# Altium PCB WL-MAIN_V2.PcbDoc (part 2 of 3) (continued)
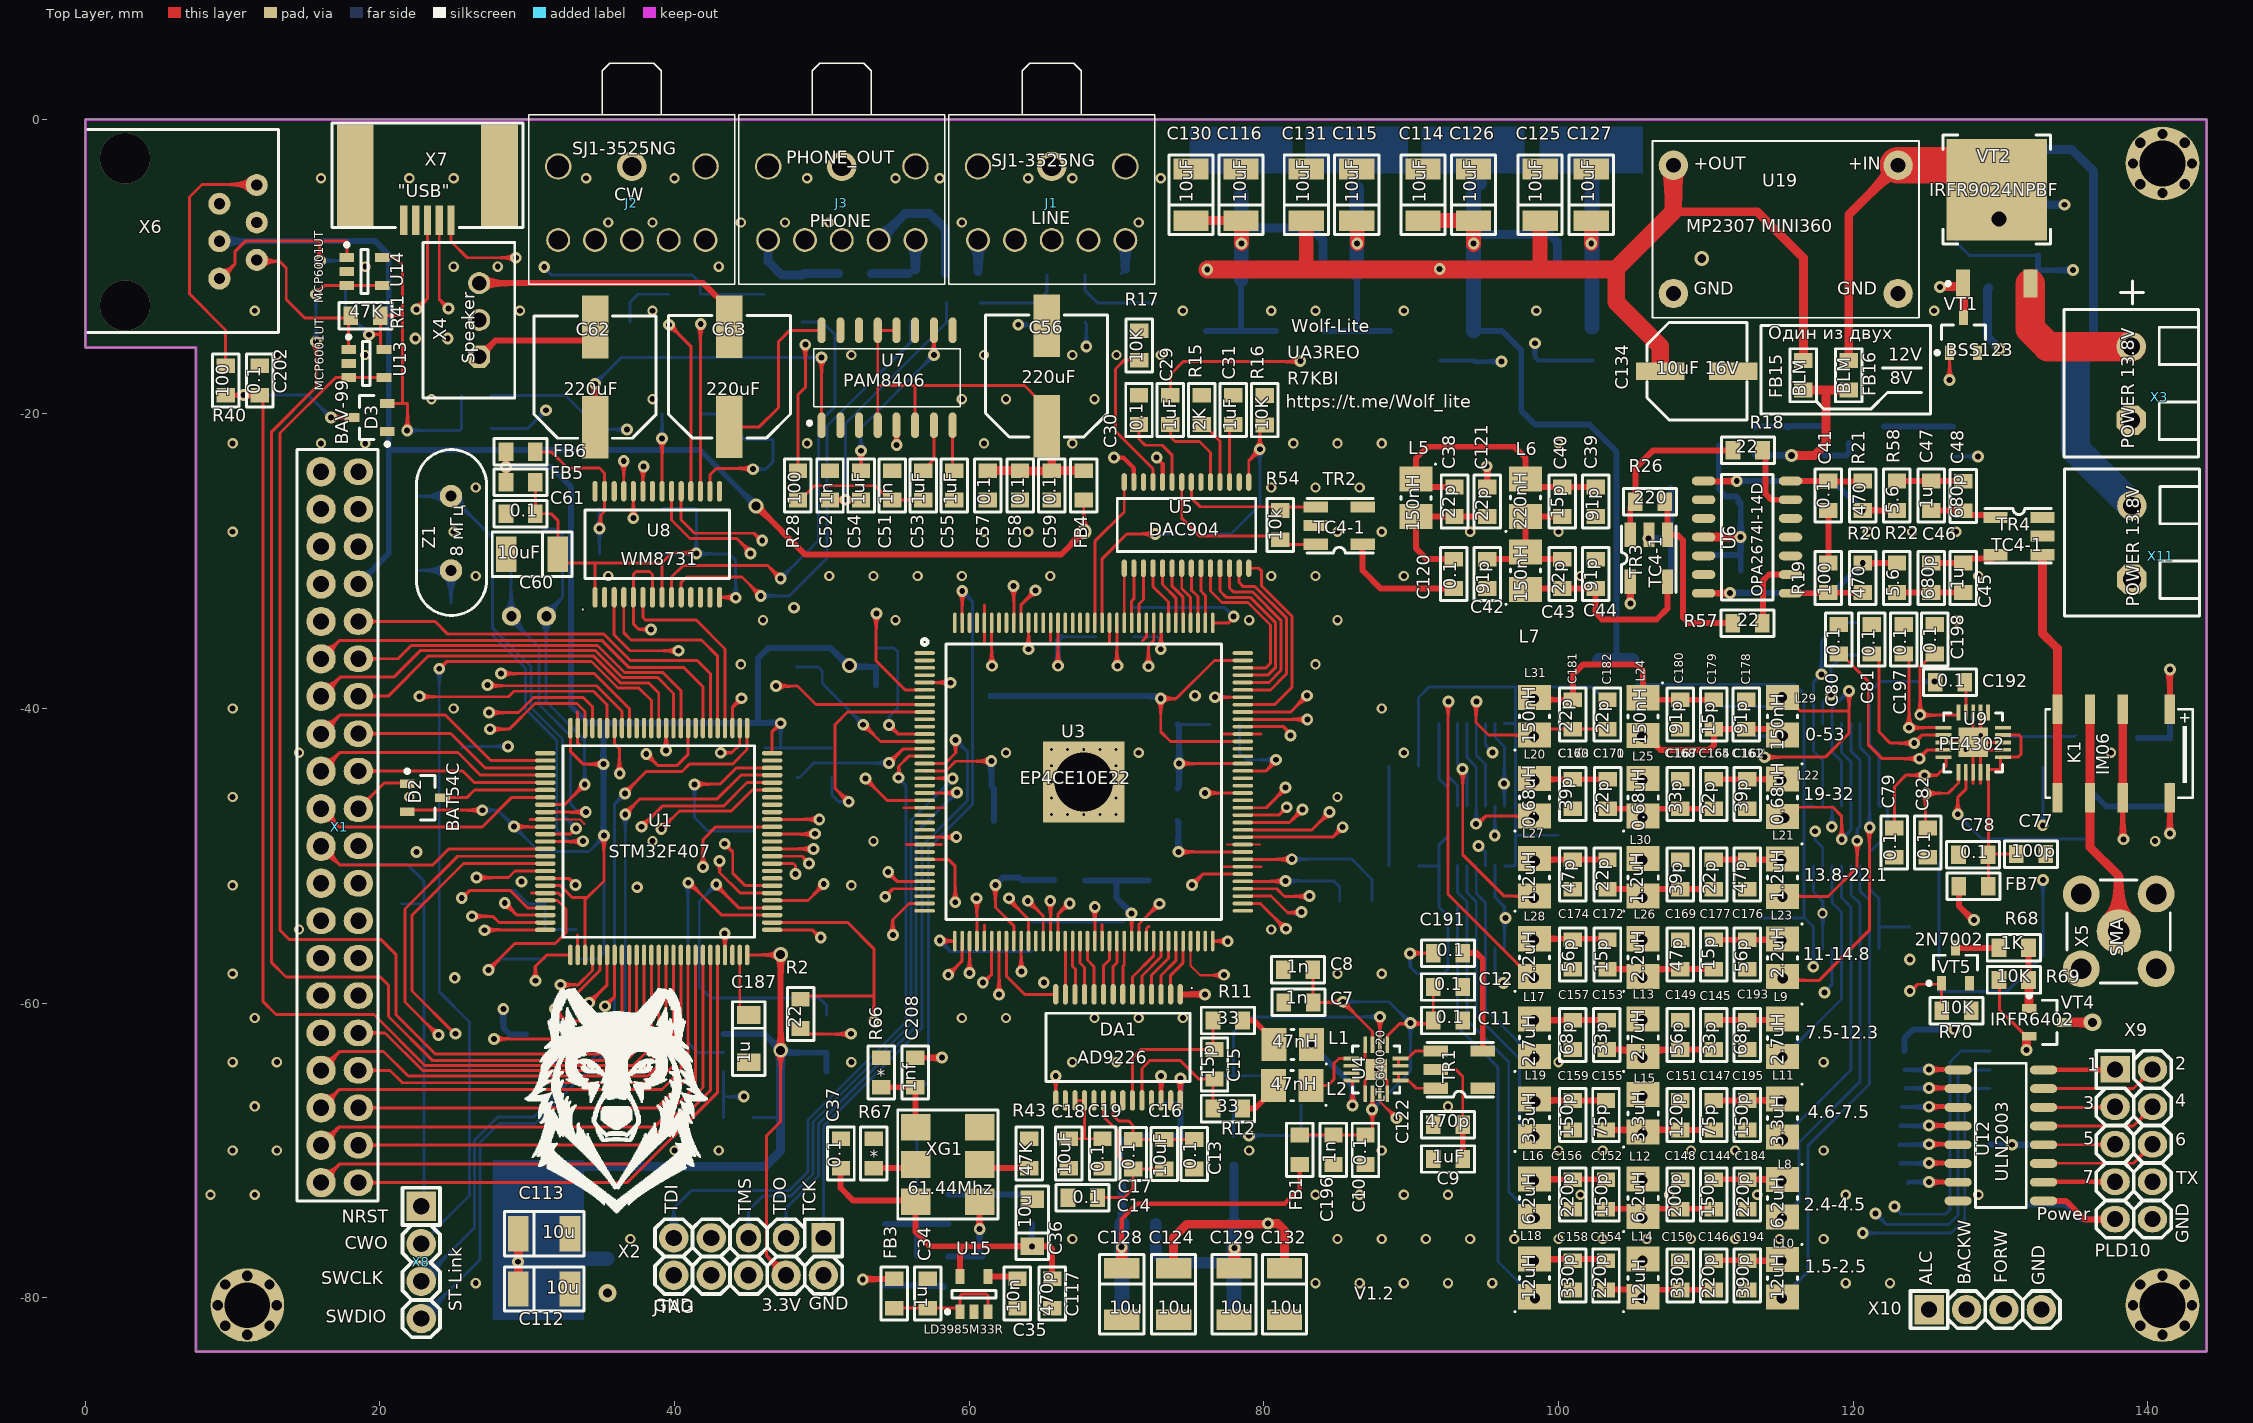
[diagram p0: Top Layer view]
## Nets (pads, with @x,y where several pads share a name; then routed paths per layer and width w, separated by ;. In a path a pad name is that pad's centre, name@x,y a point inside that pad or via, vN(x,y) a via of type N, cw(c..) or ccw(c..) an arc to the next point about the centre after c; other vN are vias at no path point) (continued)
FPGA_BUS_SYNC: U1.18 U3.32 | length 27.3
  Top Layer w0.2: U1.18@31.225,-51.525 32.825,-51.525 v1(33.275,-51.975) ; v1@54.575,-51.2 55.107,-51.732 U3.32@56.975,-51.732
  Layer 2 w0.2: v1(33.275,-51.975) 34.334,-53.034 52.566,-53.034 v1(54.5,-51.1)
FSMC_A18: U1.60 X1.24 | length 34.7
  Top Layer w0.2: U1.60@46.625,-50.525 48.075,-50.525 48.2,-50.65 v1(48.2,-51.225)
  Layer 1 w0.2: X1.24@18.54,-51.86 24.565,-51.86 25.675,-50.75 39.145,-50.75 41.42,-48.475 45.125,-48.475 48.125,-51.475 48.2,-51.4 v1(48.2,-51.225)
FSMC_D0: U1.61 X1.23 | length 38.6
  Top Layer w0.2: U1.61@46.625,-50.025 48.65,-50.025 v1@49.25,-50.625
  Layer 1 w0.2: X1.23@16,-51.86 17.25,-50.61 25.04,-50.61 25.3,-50.35 39.05,-50.35 41.3,-48.1 46.7,-48.1 v1(49.125,-50.525)
FSMC_D1: U1.62 X1.22 | length 36.9
  Top Layer w0.2: U1.62@46.625,-49.525 v1@49.5,-49.525
  Layer 1 w0.2: X1.22@18.54,-49.32 18.83,-49.32 20.2,-47.95 26.475,-47.95 28.475,-49.95 38.955,-49.95 41.255,-47.65 47.475,-47.65 49.35,-49.525 v1(49.425,-49.525)
FSMC_D2: U1.81 X1.10 | length 29
  Top Layer w0.2: X1.10@18.54,-34.09 23.75,-34.09 24.61,-34.95 35.2,-34.95 36.975,-36.725 41.525,-36.725 42.425,-37.625 U1.81@42.425,-41.325
FSMC_D3: U1.82 X1.11 | length 30.6
  Top Layer w0.2: X1.11@16,-36.63 17.26,-35.37 35.055,-35.37 36.885,-37.2 40.6,-37.2 41.925,-38.525 U1.82@41.925,-41.325
FSMC_D4: U1.38 X1.32 | length 28.6
  Top Layer w0.2: X1.32@18.54,-62.02 20.345,-62.02 22.9,-64.575 37.7,-64.575 38.925,-63.35 U1.38@38.925,-56.725
FSMC_D5: U1.39 X1.33 | length 32.1
  Top Layer w0.2: X1.33@16,-64.56 17.285,-63.275 20.25,-63.275 21.925,-64.95 38.175,-64.95 39.425,-63.7 U1.39@39.425,-56.725
FSMC_D6: U1.40 X1.34 | length 29.7
  Top Layer w0.2: X1.34@18.54,-64.56 20.685,-64.56 21.525,-65.4 38.75,-65.4 39.925,-64.225 U1.40@39.925,-56.725
FSMC_D7: U1.41 X1.35 | length 33.3
  Top Layer w0.2: X1.35@16,-67.1 17.25,-65.85 39.15,-65.85 40.425,-64.575 U1.41@40.425,-56.725
FSMC_D8: U1.42 X1.36 | length 31.5
  Top Layer w0.2: X1.36@18.54,-67.1 38.825,-67.1 40.925,-65 U1.42@40.925,-56.725
FSMC_D9: U1.43 X1.37 | length 36
  Top Layer w0.2: X1.37@16,-69.64 17.25,-68.39 38.66,-68.39 41.425,-65.625 U1.43@41.425,-56.725
FSMC_D10: U1.44 X1.38 | length 34
  Top Layer w0.2: X1.38@18.54,-69.64 38.01,-69.64 41.925,-65.725 U1.44@41.925,-56.725
FSMC_D11: U1.45 X1.39 | length 38.2
  Top Layer w0.2: X1.39@16,-72.18 17.27,-70.91 37.44,-70.91 42.425,-65.925 U1.45@42.425,-56.725
FSMC_D12: U1.46 X1.40 | length 36.2
  Top Layer w0.2: X1.40@18.54,-72.18 36.795,-72.18 42.925,-66.05 U1.46@42.925,-56.725
FSMC_D13: U1.55 X1.31 | length 42.5
  Top Layer w0.2: U1.55@46.625,-53.025 49.05,-53.025 v1@50.275,-51.8
  Layer 1 w0.2: X1.31@16,-62.02 17.27,-60.75 26.525,-60.75 29.6,-57.675 44.35,-57.675 v1(50.125,-51.9)
FSMC_D14: U1.56 X1.26 | length 33.6
  Top Layer w0.2: v1(43.05,-50.35) 43.05,-51.125 44.45,-52.525 U1.56@46.625,-52.525
  Layer 1 w0.2: X1.26@18.075,-54.275 20.85,-54.275 22.8,-56.225 35.275,-56.225 41.7,-49.8 42.5,-49.8 v1(43.05,-50.35)
FSMC_D15: U1.57 X1.25 | length 37.1
  Top Layer w0.2: v1(43.4,-49.175) 43.95,-49.725 43.95,-51.175 44.8,-52.025 U1.57@46.625,-52.025
  Layer 1 w0.2: X1.25@16,-54.4 17.25,-53.15 20.9,-53.15 23.625,-55.875 35.075,-55.875 41.775,-49.175 v1(43.4,-49.175)
FSMC_NE1: U1.88 X1.14 | length 24.9
  Top Layer w0.2: X1.14@18.54,-39.16 20.565,-39.16 23.305,-36.42 34.48,-36.42 36.31,-38.25 38.225,-38.25 38.925,-38.95 U1.88@38.925,-41.325
FSMC_NOE: U1.85 X1.12 | length 26.1
  Top Layer w0.2: X1.12@18.54,-36.62 21.23,-36.62 22.13,-35.72 34.77,-35.72 36.6,-37.55 39.2,-37.55 40.425,-38.775 U1.85@40.425,-41.325
FSMC_NWE: U1.86 X1.13 | length 28.8
  Top Layer w0.2: X1.13@16,-39.17 17.3,-37.87 20.93,-37.87 22.73,-36.07 34.625,-36.07 36.455,-37.9 38.85,-37.9 39.925,-38.975 U1.86@39.925,-41.325
GB-3.3V: D2.1 X1.20 | length 4.1
  Top Layer w0.2: X1.20@18.54,-46.8 20.29,-45.05 21.7,-45.05 D2.1@21.85,-45.2
GND: C1.1 C2.1 C3.1 C4.1 C5.1 C6.2 C7.1 C8.1 C9.1 C10.1 C11.1 C12.1 C13.1 C14.1 C18.2 C19.1 C20.2 C21.1 C22.1 C23.1 C24.1 C25.1 C26.1 C27.2 C28.2 C30.2 C31.2 C32.2 C33.2 C34.2 C35.2 C36.2 C37.2 C39.1 C42.1 C44.1 C49.1 C50.1 C51.2 C52.1 C55.2 C56.2 C57.2 C58.2 C59.2 C60.2 C61.2 C64.2 C65.2 C66.2 C67.1 C68.1 C69.2 C75.2 C77.1 C78.1 C79.1 C80.1 C81.1 C82.1 C83.2 C84.2 C85.2 C86.2 C87.2 C88.2 C89.2 C90.2 C91.2 C92.2 C93.2 C94.2 C95.2 C96.2 C97.2 C98.2 C99.2 C100.2 C101.2 C102.2 C103.2 C104.2 C105.2 C106.2 C107.2 C108.2 C109.2 C110.2 C111.2 C112.2 C113.2 C114.2 C115.2 C116.2 C117.2 C118.2 C119.2 C121.1 C122.2 C123.2 C124.2 C125.2 C126.2 C127.2 C128.2 C129.2 C130.2 C131.2 C132.2 C133.2 C134.2 C135.2 C136.2 C137.2 C138.2 C139.1 C140.2 C141.2 C142.2 C143.2 C148.1 C149.1 C150.1 C151.1 C156.1 C157.1 C158.1 C159.1 C160.1 C161.1 C162.1 C163.1 C167.1 C168.1 C169.1 C173.1 C174.1 C175.2 C176.1 C178.1 C180.1 C182.1 C183.2 C184.1 C185.2 C186.1 C187.2 C188.2 C189.2 C190.2 C193.1 C194.1 C195.1 C196.1 C197.1 C198.1 C199.2 C200.2 C201.2 C202.1 C203.1 C204.1 C205.2 C206.2 C207.2 D1.4 D3.1 DA1.16 DA1.19 DA1.22 DA1.25 DA1.27 DA2.1 DA3.1 DA4.1 DA5.1 DA6.1 DA7.1 DA8.1 J1.1 J2.1 J3.1 L12.1 L13.1 L14.1 L15.1 L25.1 L26.1 L30.1 pad.4 R3.1 R4.1 R6.2 R13.2 R15.1 R16.1 R17.1 R25.2 R29.2 R32.1 R33.1 R36.1 R43.2 R45.1 R48.1 R50.1 R53.1 R59.1 R61.1 R62.1 R66.1 R67.1 R70.1 R74.1 TR1.6 TR2.2 TR2.4 TR3.6 TR4.1 U1.10 U1.20 U1.27 U1.74 U1.99 U2.4 U3.4 U3.19 U3.22 U3.27 U3.36 U3.41 U3.48 U3.57 U3.63 U3.79 U3.82 U3.94 U3.95 U3.97 U3.108 U3.118 U3.123 U3.131 U3.140 U3.145 U4.4 U4.9 U4.12 U4.17 U5.16 U5.20 U5.26 U6.4 U7.2 U7.9 U7.11 U7.15 U8.11 U8.15 U8.22 U8.28 U9.3 U9.4 U9.7 U9.8 U9.10 U9.11 U9.12 U9.13 U9.18 U9.21 U10.8 U11.4 U11.5 U11.8 U12.8 U13.2 U14.2 U15.2 U16.8 U17.8 U18.8 U19.2 U19.4 VT1.2 VT3.2 VT5.2 VT7.2 X1.2 X1.3 X1.4 X1.6 X2.2 X2.10 X3.1 X4.2 X5.2 X6.3 X7.4 X7.5 X9.10 X10.4 X11.1 XG1.3 | length 55.4
  Top Layer w0.15: U1.10@31.225,-47.525 32.625,-47.525 32.627,-47.523 33.573,-47.523 33.875,-47.825 ; 77.207,-50.732 U3.79@78.575,-50.732 79.843,-50.732 ; 77.507,-49.232 U3.82@78.575,-49.232 79.732,-49.232
  Top Layer w0.2: 30.175,-47.525 U1.10@31.225,-47.525 ; 30.275,-52.525 U1.20@31.225,-52.525 32.1,-52.525 32.3,-52.725 32.375,-52.725 ; 33.375,-40.225 33.425,-40.275 U1.99@33.425,-41.325 33.425,-42.35 33.6,-42.525 ; U1.27@33.425,-56.725 33.425,-55.375 ; 55.557,-46.732 U3.22@56.975,-46.732 58.257,-46.732 ; 55.757,-49.232 U3.27@56.975,-49.232 58.132,-49.232 ; U3.41@61.025,-55.782 61.025,-54.7 ; 61.025,-35.45 U3.140@61.025,-34.182 61.025,-32.975 ; 65.525,-35.4 U3.131@65.525,-34.182 ; U3.57@69.025,-55.782 69.025,-54.65 ; 69.525,-35.6 U3.123@69.525,-34.182 ; 71.775,-35.375 72.025,-35.125 U3.118@72.025,-34.182 ; U3.63@72.025,-55.782 72.025,-54.924 72.142,-54.807 72.191,-54.807 ; 77.207,-41.732 U3.97@78.575,-41.732 79.807,-41.732 ; U4.9@86.869,-66.6 86.875,-66.594 86.875,-66 86.875,-65.25 U4.17@87.625,-64.5 ; U4.4@86.875,-63 86.875,-63.75 U4.17@87.625,-64.5 ; U4.12@88.375,-66 88.375,-65.25 U4.17@87.625,-64.5 ; U9.18@126.3,-42.3 U9.21@128.15,-42.3 ; 128.15,-45.1 128.15,-44.15 U9.21@128.15,-42.3 ; U9.13@128.15,-40.45 U9.21@128.15,-42.3 ; 128.65,-45.075 128.65,-44.15 U9.21@128.65,-42.8 ; U9.12@128.65,-40.45 U9.21@128.65,-41.8 U9.21@128.15,-42.3 ; U9.7@130,-42.8 U9.21@128.65,-42.8 ; U9.8@130,-42.3 U9.21@128.15,-42.3 ; U9.21@128.15,-42.3 U9.21@128.65,-42.8
  Top Layer w0.4: C121.1@95.168,-24.958 v1@95.168,-23.668 ; v1@104.868,-32.743 TR3.6@104.868,-31.388
  other v1: 65.065,-58.588 25.081,-58.279 37.461,-52.127 29.6,-51.75 22.475,-49.736 75.325,-39.125 104.875,-32.875 95.125,-23.55
  other v2: 26.5,-79 83.5,-79 86.5,-79 89.5,-79 92.5,-79 95.5,-79 119.5,-79 122.5,-79 37,-76 67,-76 85,-76 88,-76 91,-76 94,-76 97,-76 100,-76 103,-76 106,-76 109,-76 112,-76 115,-76 118,-76 8.5,-73 11.5,-73 83.5,-73 86.5,-73 89.5,-73 92.5,-73 101.5,-73 107.5,-73 113.5,-73 119.5,-73 128.5,-73 10,-70 13,-70 40,-70 43,-70 79,-70 88,-70 100,-70 103,-70 109,-70 112,-70 118,-70 11.5,-67 92.5,-67 10,-64 13,-64 52,-64 67,-64 70,-64 100,-64 118,-64 11.5,-61 59.5,-61 62.5,-61 68.5,-61 71.5,-61 74.5,-61 10,-58 85,-58 88,-58 14.5,-55 80.5,-55 10,-52 52,-52 38.5,-49 53.5,-49 140.5,-49 10,-46 22,-46 85,-46 14.5,-43 62.5,-43 71.5,-43 89.5,-43 101.5,-43 137.5,-43 10,-40 25,-40 88,-40 44.5,-37 83.5,-37 46,-34 55,-34 79,-34 85,-34 127,-34 26.5,-31 35.5,-31 50.5,-31 53.5,-31 56.5,-31 59.5,-31 65.5,-31 80.5,-31 83.5,-31 89.5,-31 101.5,-31 128.5,-31 10,-28 25,-28 61,-28 64,-28 85,-28 88,-28 94,-28 100,-28 121,-28 124,-28 127,-28 26.5,-25 80.5,-25 83.5,-25 86.5,-25 10,-22 16,-22 19,-22 49,-22 61,-22 67,-22 82,-22 85,-22 88,-22 100,-22 23.5,-19 38.5,-19 59.5,-19 62.5,-19 68.5,-19 13,-16 19,-16 52,-16 61,-16 67,-16 70,-16 73,-16 11.5,-13 29.5,-13 38.5,-13 74.5,-13 80.5,-13 83.5,-13 89.5,-13 98.5,-13 125.5,-13 19,-10 25,-10 28,-10 43,-10 35.5,-7 38.5,-7 44.5,-7 47.5,-7 50.5,-7 59.5,-7 71.5,-7 16,-4 22,-4 25,-4 34,-4 40,-4 49,-4 55,-4 58,-4 64,-4 67,-4 73,-4
  other v3: 11,-82.5 141,-82.5 9.5,-81.9 12.5,-81.9 139.5,-81.9 142.5,-81.9 9,-80.5 13,-80.5 139,-80.5 143,-80.5 9.5,-79.1 12.5,-79.1 139.5,-79.1 142.5,-79.1 11,-78.5 141,-78.5 141,-5 139.5,-4.4 142.5,-4.4 139,-3 143,-3 139.5,-1.6 142.5,-1.6 141,-1
  other v4: 105.7,-77.475 105.7,-72.037 105.7,-66.3 105.7,-61.162
  other v5: 105.7,-50.287 105.7,-44.85
  other v6: 65.575,-47.182 66.675,-47.182 67.775,-47.182 68.875,-47.182 69.975,-47.182 65.575,-46.082 69.975,-46.082 65.575,-44.982 69.975,-44.982 65.575,-43.882 69.975,-43.882 65.575,-42.782 66.675,-42.782 67.775,-42.782 68.875,-42.782 69.975,-42.782
  other v8: 105.7,-55.725
  other v11: 67.775,-44.982
IN_B1: L10.1 U10.6 U10.10 | length 32.1
  Bottom Layer w0.2: v4@115.15,-80 116.95,-78.2 116.95,-69.65 121.113,-65.487 U10.10@121.113,-56.275 121.113,-53.038 120.478,-52.403 U10.6@120.478,-50.675
  other v4: 115.15,-80.025
IN_B2: L8.1 U10.5 U10.11 | length 26.3
  Bottom Layer w0.2: v4@115.225,-74.525 116.325,-73.425 116.325,-69.45 120.478,-65.297 U10.11@120.478,-56.275 120.478,-53.253 119.843,-52.618 U10.5@119.843,-50.675
  other v4: 115.175,-74.575
IN_B3: L11.1 U10.4 U10.12 | length 20.7
  Bottom Layer w0.2: v4@115.2,-69.175 119.843,-64.532 U10.12@119.843,-56.275 119.843,-53.468 119.208,-52.833 U10.4@119.208,-50.675
  other v4: 115.225,-69.275
IN_B4: L9.1 U10.3 U10.13 | length 14.9
  Bottom Layer w0.2: v4@115.25,-63.675 119.208,-59.717 U10.13@119.208,-56.275 119.208,-53.808 118.573,-53.173 U10.3@118.573,-50.675
  other v4: 115.2,-63.675
IN_B5: L23.1 U16.6 U16.10 | length 21.7
  Top Layer w0.2: L23.1@115.193,-58.192 115.451,-58.45 117.7,-58.45 121.1,-55.05 v1@121.1,-48.075
  Bottom Layer w0.2: U16.6@120.478,-41.025 120.478,-42.653 121.113,-43.288 U16.10@121.113,-46.625 121.113,-48.063 v1(121.125,-48.075)
  other v8: 115.225,-58.3
IN_B6: L21.1 U16.5 U16.11 | length 15.9
  Top Layer w0.2: L21.1@115.193,-52.755 118.295,-52.755 120.275,-50.775 v1@120.275,-49.075
  Bottom Layer w0.2: U16.5@119.843,-41.025 119.843,-42.868 120.478,-43.503 U16.11@120.478,-46.625 120.475,-46.628 120.475,-48 120.275,-48.2 v1(120.275,-48.975)
  other v5: 115.2,-52.775
IN_B7: L22.1 U16.4 U16.12 | length 13.4
  Top Layer w0.2: L22.1@116.05,-46.7 118.625,-46.7 119.2,-47.275 ; v1(119.225,-48.875) 119.225,-47.275
  Bottom Layer w0.2: U16.4@119.208,-41.025 119.208,-42.982 119.843,-43.617 U16.12@119.843,-46.625 119.843,-48.257 v1(119.225,-48.875)
  other v5: 115.325,-47.425
IN_B8: C163.2 C166.1 L29.1 U16.3 U16.13 | length 27.1
  Top Layer w0.2: v1(113.975,-43.3) 118.1,-43.3 119.725,-41.675 119.725,-40.175 ; L29.1@115.2,-39.25 115.5,-39.25 116.425,-40.175 119.725,-40.175 ; v1(119.725,-38.8) 119.725,-40.175
  Bottom Layer w0.2: C163.2@111.1,-39.875 C166.1@113.275,-39.875 114.525,-39.875 v5(115.175,-39.225) ; U16.13@119.208,-46.625 119.208,-43.583 118.573,-42.948 U16.3@118.573,-41.025 118.573,-39.977 119.6,-38.95 v1@119.8,-38.95
IN_LPE: C192.1 U9.14 | length 2.3
  Top Layer w0.2: C192.1@127.575,-38.225 127.65,-38.3 U9.14@127.65,-40.45
IN_RX: C191.1 TR1.4 | length 7.8
  Top Layer w0.4: C191.1@93.5,-56.6 94.45,-56.6 94.855,-57.005 TR1.4@94.855,-63.235
KEY_IN_DASH: J2.2 U1.97 | length 50.7
  Top Layer w0.2: v1@27.35,-40.275 v1(27.4,-40.275) 29.4,-40.275 30.425,-39.25 33.8,-39.25 34.425,-39.875 U1.97@34.425,-41.325
  Layer 2 w0.2: v1(27.4,-40.275) 26.475,-39.35 26.475,-32.775 32.75,-26.5 32.75,-13.175 35.45,-10.475 39.825,-10.475 J2.2@42.1,-8.2
KEY_IN_DOT: J2.5 U1.98 | length 44.9
  Top Layer w0.2: v1@27.25,-41.4 28.77,-41.4 30.52,-39.65 33.375,-39.65 33.925,-40.2 U1.98@33.925,-41.325
  Layer 2 w0.2: v1(27.475,-41.4) 26.125,-40.05 26.125,-32.63 32.1,-26.655 J2.5@32.1,-8.325
LED_PW: U1.95 X1.5 | length 30.1
  Top Layer w0.2: v1@22.655,-39.2 28.725,-39.2 29.1,-38.825 34.5,-38.825 35.425,-39.75 U1.95@35.425,-41.325
  Layer 1 w0.2: X1.5@16,-29.025 17.25,-30.275 21.1,-30.275 22.693,-31.868 v1(22.693,-39.169)
LHP_OUT: J3.4 R28.1 | length 15.7
  Top Layer w0.2: R28.1@48.375,-23.85 48.375,-18.825 ; 48.375,-18.7 48.875,-18.2 v1(48.875,-15.3)
  Layer 1 w0.2: J3.4@48.85,-8.2 48.85,-15.275 v1(48.875,-15.3)
LPF1: U3.76 U11.1 | length 76.1
  Top Layer w0.2: U3.76@78.575,-52.232 80.882,-52.232 81.4,-52.75 v1@83.1,-52.75
  Layer 2 w0.2: v1(83.1,-52.725) 93.4,-52.725 97.3,-56.625 113.341,-56.625 114.275,-57.559 114.275,-59.384 117.341,-62.45 119.566,-62.45 122.775,-65.659 122.775,-73.7 v1@122.75,-73.725
  Bottom Layer w0.2: v1@122.85,-73.775 122.85,-73.9 123.275,-74.325 126.275,-74.325 126.575,-74.025 126.575,-64 127.323,-63.252 U11.1@129.3,-63.252
  other v1: 122.8,-73.8
LPF2: U3.75 U11.2 | length 76.7
  Top Layer w0.2: U3.75@78.575,-52.732 80.482,-52.732 81.6,-53.85 v1@82.7,-53.85
  Layer 2 w0.2: v1(82.55,-53.8) 93.9,-53.8 97.075,-56.975 113.125,-56.975 113.875,-57.725 113.875,-59.55 117.175,-62.85 119.4,-62.85 121.525,-64.975 v1(121.525,-74.275)
  Bottom Layer w0.2: v1@121.425,-74.175 122.275,-75.025 126.475,-75.025 127.125,-74.375 127.125,-64.925 127.528,-64.522 U11.2@129.3,-64.522
LPF3: U3.74 U11.3 | length 76.9
  Top Layer w0.2: U3.74@78.575,-53.232 79.757,-53.232 81.45,-54.925 v1@81.8,-54.925
  Layer 2 w0.2: v1(81.5,-54.95) 94.555,-54.95 96.98,-57.375 113.03,-57.375 113.525,-57.87 113.525,-59.695 117.03,-63.2 119.255,-63.2 120.65,-64.595 v1@120.65,-75.65
  Bottom Layer w0.2: v1(120.65,-75.6) 126.65,-75.6 127.575,-74.675 127.575,-66.2 127.983,-65.792 U11.3@129.3,-65.792
LTC_ENABLE: U3.69 U4.11 | length 22.6
  Top Layer w0.15: U3.69@75.025,-55.782 75.025,-57.45 75.675,-58.1 77.275,-58.1 v1@77.3,-58.125 ; U4.11@87.875,-66 87.875,-66.675 88.9,-67.7 v1@88.9,-67.725
  Layer 2 w0.2: v1(77.3,-58.075) 80.05,-58.075 89,-67.025 v1(89,-67.8)
MIC: C73.2 C75.1 R31.2 R61.2 X6.2 | length 40.9
  Layer 1 w0.3: X6.2@9.15,-5.725 9.16,-5.735 28.56,-5.735 30.325,-7.5 30.325,-9.25 v1@31.125,-10.05
  Bottom Layer w0.2: v1@31.175,-10.1 31.15,-10.075 31.65,-10.575 C73.2@36.975,-10.575 41.2,-10.575 41.742,-11.117 R31.2@41.742,-11.875 R61.2@43.883,-11.875 C75.1@46.025,-11.875
  other v1: 31.15,-10.025
NC: R17.2 U5.25 | length 10.6
  Top Layer w0.2: R17.2@71.55,-16.35 70.525,-16.35 69.925,-16.95 69.925,-21.175 72.475,-23.725 U5.25@72.475,-24.625
Net-bit1: DA1.13 U3.52 | length 3.6
  Top Layer w0.2: DA1.13@66.525,-59.399 U3.52@66.525,-55.782
Net-bit2: DA1.12 U3.53 | length 3.7
  Top Layer w0.2: U3.53@67.025,-55.782 67.025,-57.5 67.2,-57.675 67.2,-59.374 DA1.12@67.175,-59.399
Net-bit3: DA1.11 U3.54 | length 3.7
  Top Layer w0.2: U3.54@67.525,-55.782 67.525,-57.275 67.825,-57.575 DA1.11@67.825,-59.399
Net-bit4: DA1.10 U3.55 | length 3.8
  Top Layer w0.2: U3.55@68.025,-55.782 68.025,-57.075 68.475,-57.525 DA1.10@68.475,-59.399
Net-bit5: DA1.9 U3.58 | length 3.8
  Top Layer w0.2: DA1.9@69.125,-59.399 69.125,-57.45 69.525,-57.05 U3.58@69.525,-55.782
Net-bit6: DA1.8 U3.59 | length 3.7
  Top Layer w0.2: DA1.8@69.775,-59.399 69.775,-57.5 70.025,-57.25 U3.59@70.025,-55.782
Net-bit7: DA1.7 U3.60 | length 3.7
  Top Layer w0.2: DA1.7@70.425,-59.399 70.425,-57.5 70.525,-57.4 U3.60@70.525,-55.782
Net-bit8: DA1.6 U3.64 | length 4.2
  Top Layer w0.2: DA1.6@71.075,-59.399 71.075,-58.225 72.525,-56.775 U3.64@72.525,-55.782
Net-bit9: DA1.5 U3.65 | length 4.2
  Top Layer w0.2: DA1.5@71.725,-59.399 71.725,-58.15 73.025,-56.85 U3.65@73.025,-55.782
Net-bit10: DA1.4 U3.66 | length 4.1
  Top Layer w0.2: DA1.4@72.375,-59.399 72.375,-58.1 73.525,-56.95 U3.66@73.525,-55.782
Net-bit11: DA1.3 U3.67 | length 4
  Top Layer w0.2: DA1.3@73.025,-59.399 73.025,-58.125 74.025,-57.125 U3.67@74.025,-55.782
Net-bit12: DA1.2 U3.68 | length 4
  Top Layer w0.2: DA1.2@73.675,-59.399 73.675,-58.1 74.525,-57.25 U3.68@74.525,-55.782
Net-Clock: C208.2 DA1.1 U3.89 | length 38.8
  Top Layer w0.2: v1@76.382,-45.732 U3.89@78.575,-45.732
  Top Layer w0.4: C208.2@56.342,-63.706 v1@57.944,-63.706 ; DA1.1@74.325,-59.399 v1@76.076,-59.399
  Layer 1 w0.2: v1(76,-59.4) v1(76,-45.725)
  Layer 1 w0.4: v1(58.156,-63.694) 62.156,-63.694 66.45,-59.4 68.4,-59.4 v1(76,-59.4)
Net-LPF1: U12.16 X9.1 | length 4.9
  Top Layer w0.3: U12.16@132.925,-64.529 137.746,-64.529 X9.1@137.78,-64.495
Net-LPF2: U12.15 X9.2 | length 7.9
  Top Layer w0.2: U12.15@132.925,-65.799 132.925,-65.785 139.03,-65.785 X9.2@140.32,-64.495
Net-LPF3: U12.14 X9.3 | length 4.9
  Top Layer w0.2: U12.14@132.925,-67.069 137.746,-67.069 X9.3@137.78,-67.035
Net-LPF4: U12.13 X9.4 | length 7.9
  Top Layer w0.2: U12.13@132.925,-68.339 132.925,-68.325 139.03,-68.325 X9.4@140.32,-67.035
Net-LPF5: U12.12 X9.5 | length 4.9
  Top Layer w0.2: U12.12@132.925,-69.609 137.746,-69.609 X9.5@137.78,-69.575
Net-LPF6: U12.11 X9.6 | length 7.9
  Top Layer w0.2: U12.11@132.925,-70.879 132.925,-70.865 139.03,-70.865 X9.6@140.32,-69.575
Net-LPF7: U12.10@132.925,-72.149 X9.7 | length 4.7
  Top Layer w0.3: U12.10@132.925,-72.149 132.942,-72.132 137.557,-72.132 X9.7@137.625,-72.2
Net-otr: DA1.14 U3.44 | length 6.2
  Top Layer w0.2: U3.44@62.525,-55.782 62.525,-58.175 63.749,-59.399 DA1.14@65.875,-59.399
Net_DAC0: U3.101 U5.14 | length 13.5
  Top Layer w0.2: U3.101@78.575,-39.732 80.743,-39.732 81.9,-38.575 81.9,-33.725 80.2,-32.025 80.195,-32.025 79.85,-31.68 79.85,-30.675 79.65,-30.475 U5.14@78.975,-30.475
Net_DAC1: U3.103 U5.13 | length 12.4
  Top Layer w0.2: U5.13@78.325,-30.475 78.325,-31.45 78.6,-31.725 79.4,-31.725 81.55,-33.875 81.55,-37.625 80.443,-38.732 U3.103@78.575,-38.732
Net_DAC2: U3.104 U5.12 | length 12.1
  Top Layer w0.2: U5.12@77.675,-30.475 77.675,-31.825 77.925,-32.075 79.225,-32.075 81.15,-34 81.15,-37.425 80.343,-38.232 U3.104@78.575,-38.232
Net_DAC3: U3.105 U5.11 | length 11.7
  Top Layer w0.2: U5.11@77.025,-30.475 77.025,-32.025 77.45,-32.45 79.07,-32.45 80.8,-34.18 80.8,-37.2 80.268,-37.732 U3.105@78.575,-37.732
Net_DAC4: U3.106 U5.10 | length 11.2
  Top Layer w0.2: U5.10@76.375,-30.475 76.375,-32.025 77.15,-32.8 78.925,-32.8 80.45,-34.325 80.45,-36.925 80.143,-37.232 U3.106@78.575,-37.232
Net_DAC5: U3.110 U5.9 | length 3.8
  Top Layer w0.2: U5.9@75.725,-30.475 75.725,-32.025 76.025,-32.325 U3.110@76.025,-34.182
Net_DAC6: U3.111 U5.8 | length 3.9
  Top Layer w0.2: U5.8@75.075,-30.475 75.075,-31.95 75.525,-32.4 U3.111@75.525,-34.182
Net_DAC7: U3.112 U5.7 | length 4
  Top Layer w0.2: U5.7@74.425,-30.475 74.425,-31.85 75.025,-32.45 U3.112@75.025,-34.182
Net_DAC8: U3.113 U5.6 | length 4
  Top Layer w0.2: U5.6@73.775,-30.475 73.775,-31.7 74.525,-32.45 U3.113@74.525,-34.182
Net_DAC9: U3.114 U5.5 | length 4.1
  Top Layer w0.2: U5.5@73.125,-30.475 73.125,-31.58 74.025,-32.48 U3.114@74.025,-34.182
Net_DAC10: U3.115 U5.4 | length 4.1
  Top Layer w0.2: U5.4@72.475,-30.475 72.475,-31.725 73.525,-32.775 U3.115@73.525,-34.182
Net_DAC11: U3.119 U5.3 | length 3.8
  Top Layer w0.2: U3.119@71.525,-34.182 71.525,-32.9 71.825,-32.6 U5.3@71.825,-30.475
Net_DAC12: U3.120 U5.2 | length 3.8
  Top Layer w0.2: U3.120@71.025,-34.182 71.025,-32.7 71.175,-32.55 U5.2@71.175,-30.475
Net_DAC13: U3.121 U5.1 | length 3.7
  Top Layer w0.2: U3.121@70.525,-34.182 U5.1@70.525,-30.475
Net_DAC-CLK: U3.125 U5.28 | length 10.4
  Top Layer w0.2: U3.125@68.525,-34.182 68.525,-28.65 70.525,-26.65 U5.28@70.525,-24.625
Net_DAC-PD: R16.2 U3.124 U5.15 | length 24.4
  Top Layer w0.2: U3.124@69.025,-34.182 69.025,-29.825 70.7,-28.15 v1@72.55,-28.15 ; U5.15@78.975,-24.625 78.975,-23.175 v1@79.6,-22.55 ; v1(79.725,-22.4) 79.725,-21.075 R16.2@80.05,-20.75
  Bottom Layer w0.2: v1(72.625,-28.15) 77.775,-28.15 79.725,-26.2 v1(79.725,-22.4)
Net_PC14: C3.2 U1.8 Z2.2 | length 23.2
  Top Layer w0.2: U1.8@31.225,-46.525 32.525,-46.525 v1(33.9,-45.15)
  Bottom Layer w0.2: C3.2@31.05,-27.825 31.975,-27.825 32.4,-28.25 32.4,-32.45 31.3,-33.55 Z2.2@31.3,-33.725 ; Z2.2@31.275,-33.725 31.275,-39.525 33.9,-42.15 v1(33.9,-45.15)
Net_PC15: C4.2 U1.9 Z2.1 | length 22.2
  Top Layer w0.2: U1.9@31.225,-47.025 32.45,-47.025 v1(33.975,-47.025)
  Bottom Layer w0.2: C4.2@28.95,-30 28.9,-30.05 28.9,-33.925 30.8,-35.825 30.8,-39.725 32.95,-41.875 32.95,-46.5 33.475,-47.025 v1(33.975,-47.025)
Net_PH0: C2.2 U1.12 Z1.1 | length 30.7
  Top Layer w0.2: U1.12@31.225,-48.525 32.925,-48.525 v1@33.3,-48.15
  Bottom Layer w0.2: C2.2@22.475,-25.6 22.5,-25.575 Z1.1@24.825,-25.575 27.65,-28.4 27.65,-34.55 30.25,-37.15 30.25,-39.925 32.4,-42.075 32.4,-47.2 33.302,-48.102 v1(33.302,-48.148)
Net_PH1: C1.2 R8.1 Z1.2 | length 4.6
  Bottom Layer w0.2: C1.2@22.475,-30.6 22.5,-30.625 Z1.2@24.825,-30.625 R8.1@24.825,-32.85
NetC6_1: C6.1 FB11.2 FB12.2 U1.22 | length 16.5
  Top Layer w0.2: v1@25.575,-52.875 26.1,-52.35 28.85,-52.35 30.025,-53.525 U1.22@31.225,-53.525
  Bottom Layer w0.2: v1(25.55,-52.85) 26.05,-52.35 29.15,-52.35 30.075,-53.275 C6.1@31.2,-53.275 31.2,-55.025 31.225,-55 FB11.2@33.3,-55
NetC7_2: C7.2 C8.2 C10.2 C11.2 C12.2 C196.2 FB1.2 U4.1 U4.3 U4.10 | length 34.1
  Top Layer w0.2: FB1.2@82.425,-68.95 C196.2@84.725,-68.95 C10.2@86.9,-68.95 ; C8.2@83.325,-57.725 83.35,-57.75 C7.2@83.35,-59.95 85.4,-59.95 87.375,-61.925 U4.3@87.375,-63 ; C10.2@87.375,-68.725 U4.10@87.375,-66 ; U4.1@88.375,-63 88.375,-62.225 89.2,-61.4 91.275,-61.4 C11.2@91.5,-61.175 C12.2@91.5,-58.9
  Bottom Layer w0.2: v1(85.375,-59.9) 88.5,-59.9 v1(89.95,-61.35) 89.95,-64.625 v1(87.35,-67.225)
NetC9_2: C9.2 C122.1 TR1.2 | length 7.6
  Top Layer w0.2: TR1.2@91.675,-64.505 93.03,-64.505 93.5,-64.975 C122.1@93.5,-68.25
  Top Layer w0.4: C9.2@93.5,-70.575 C122.1@93.5,-68.25
NetC13_2: C13.2 C16.1 C17.1 DA1.21 | length 7.8
  Top Layer w0.2: DA1.21@69.775,-66.599 69.775,-67.625 70.15,-68 70.825,-68 71.125,-68.3 C17.1@71.125,-69.25 C16.1@73.225,-69.25 C13.2@75.275,-69.25
NetC14_2: C14.2 C16.2 C17.2 DA1.20 | length 11.7
  Top Layer w0.2: C14.2@68.7,-73.2 70.5,-73.2 71.125,-72.575 C17.2@71.125,-71.25 ; DA1.20@69.125,-66.599 69.125,-67.725 70.125,-68.725 70.125,-70.375 71,-71.25 C17.2@71.125,-71.25 ; C16.2@73.225,-71.25 C17.2@71.125,-71.25
NetC15_1: C15.1 DA1.24 R12.2 | length 9.9
  Top Layer w0.2: DA1.24@71.725,-66.599 71.725,-64.425 72.275,-63.875 74.3,-63.875 75.575,-65.15 C15.1@76.65,-65.15 76.55,-65.25 R12.2@76.55,-67.15
NetC15_2: C15.2 DA1.23 R11.2 | length 10.7
  Top Layer w0.2: DA1.23@71.075,-66.599 71.075,-63.7 71.625,-63.15 C15.2@76.65,-63.15 76.55,-63.05 R11.2@76.55,-61.175
NetC18_1: C18.1 C19.2 DA1.17 DA1.18 | length 5.6
  Top Layer w0.2: C18.1@66.75,-69.2 67.775,-69.2 ; DA1.17@67.175,-66.599 DA1.18@67.825,-66.599 67.825,-69.15 67.775,-69.2 ; C19.2@69.05,-69.2 67.775,-69.2
NetC20_1: C20.1 C22.2 C23.2 DA1.28 L3.1 | length 13.4
  Top Layer w0.3: DA1.28@74.325,-66.599 v1@74.325,-65.2
  Bottom Layer w0.3: C20.1@72.85,-66.825 74.325,-66.825 74.35,-66.8
  Bottom Layer w0.4: L3.1@70.275,-70.4 70.275,-69.475 70.7,-69.05 74.4,-69.05 ; v1(74.35,-65.1) 74.35,-66.8 74.35,-69 74.4,-69.05 ; C23.2@75.731,-69.05 74.4,-69.05
NetC21_2: C21.2 R13.1 R14.2 U4.2 | length 19.8
  Top Layer w0.2: U4.2@87.875,-63 v1(87.875,-60.925)
  Bottom Layer w0.2: R13.1@75.825,-64.925 R14.2@77.938,-64.925 ; C21.2@80.225,-64.925 R14.2@78.025,-64.925 R14.2@77.938,-64.925 ; v1(87.875,-60.925) 78.975,-60.925 77.938,-61.962 R14.2@77.938,-64.925
NetC24_2: C24.2 C25.2 C26.2 C27.1 DA1.15 DA1.26 L4.1 R14.1 | length 30.6
  Top Layer w0.2: DA1.15@65.875,-66.599 v1(65.875,-64.95)
  Top Layer w0.3: DA1.26@73.025,-66.599 v1(73.025,-64.95)
  Layer 1 w0.4: v1(65.875,-64.95) v1(73.025,-64.95) 73.025,-68.05 73.975,-69 v1(79,-69)
  Bottom Layer w0.2: L4.1@77.938,-69.05 R14.1@77.938,-66.925 ; L4.1@78.425,-68.95 78.45,-68.975 C24.2@82.35,-68.975 ; C26.2@82.525,-66.925 82.525,-68.875 C24.2@82.35,-69.05 84.7,-69.05 C27.1@84.775,-69.125
NetC28_1: C28.1 FB2.1 U5.27 | length 39.6
  Top Layer w0.3: v1@69.975,-22.975 70.475,-22.975 71.175,-23.675 U5.27@71.175,-24.625
  Layer 2 w0.3: v1(69.825,-22.95) 71.325,-22.95 79.625,-14.65 97.775,-14.65 v1@98.35,-15.225
  Bottom Layer w0.3: v1(98.405,-15.202) 98.405,-16.155 98.625,-16.375 C28.1@100,-16.375 FB2.1@102.3,-16.375
NetC29_1: C29.1 U5.19 | length 6
  Top Layer w0.2: C29.1@73.658,-20.725 73.658,-21.558 73.975,-21.875 75.625,-21.875 76.375,-22.625 U5.19@76.375,-24.625
NetC30_1: C30.1 U5.23 | length 5.5
  Top Layer w0.2: C30.1@71.525,-20.725 71.525,-21.7 71.95,-22.125 73.1,-22.125 73.775,-22.8 U5.23@73.775,-24.625
NetC31_1: C31.1 U5.17 | length 4
  Top Layer w0.2: U5.17@77.675,-24.625 77.675,-20.975 C31.1@77.925,-20.725
NetC34_1: C34.1 FB3.1 U15.1 U15.3 | length 8.7
  Top Layer w0.2: FB3.1@54.9,-80.7 C34.1@57.175,-80.7 59.125,-80.7 U15.1@59.375,-80.95 59.375,-79.875 59.5,-79.75 61.175,-79.75 61.275,-79.85 U15.3@61.275,-80.95
NetC35_1: C35.1 U15.4 | length 2.1
  Top Layer w0.4: U15.4@61.275,-78.55 63.125,-78.55 C35.1@63.275,-78.7
NetC36_1: C36.1 C37.1 C117.1 R5.1 U15.5 XG1.6 | length 24
  Top Layer w0.2: XG1.6@56.2,-74 XG1.6@56.25,-73.95
  Top Layer w0.4: C37.1@51.275,-71.4 51.275,-72.55 52.125,-73.4 XG1.6@56.7,-73.4 ; XG1.6@56.35,-73.825 56.35,-75.525 57.325,-76.5 C36.1@64.275,-76.5 65.45,-76.5 65.625,-76.675 C117.1@65.625,-78.7 ; U15.5@59.375,-78.55 59.375,-76.625
  Bottom Layer w0.4: v1@64.256,-76.544 R5.1@64.256,-74.975
  other v1: 64.253,-76.522
NetC38_1: C38.1 C120.2 C121.2 L5.1 | length 9.9
  Top Layer w0.4: C120.2@92.893,-29.858 91.068,-29.858 90.318,-29.108 L5.1@90.318,-26.975 90.335,-26.958 C38.1@92.943,-26.958 C121.2@95.168,-26.958
NetC38_2: C38.2 C39.2 C40.1 L5.2 L6.1 | length 18.7
  Top Layer w0.4: C38.2@92.943,-24.958 90.851,-24.958 L5.2@90.318,-24.425 90.318,-23.032 91.125,-22.225 97,-22.225 97.768,-22.993 L6.1@97.768,-24.408 98.318,-24.958 C40.1@100.243,-24.958 C39.2@102.518,-24.958
NetC40_2: C40.2 C42.2 C43.1 L6.2 L7.1 | length 10
  Top Layer w0.4: C42.2@95.168,-29.858 C43.1@100.243,-29.858 ; L7.1@97.768,-29.358 L6.2@97.768,-26.958 C40.2@100.243,-26.958
NetC41_1: C41.1 R19.1 | length 3.6
  Top Layer w0.4: R19.1@118.325,-30.14 C41.1@118.325,-26.59
NetC41_2: C41.2 R21.1 U6.7 | length 5
  Top Layer w0.4: U6.7@115.75,-24.555 118.29,-24.555 118.325,-24.59 R21.1@120.75,-24.59